# KiCad board FrontEnd_5G.kicad_pcb (continued)
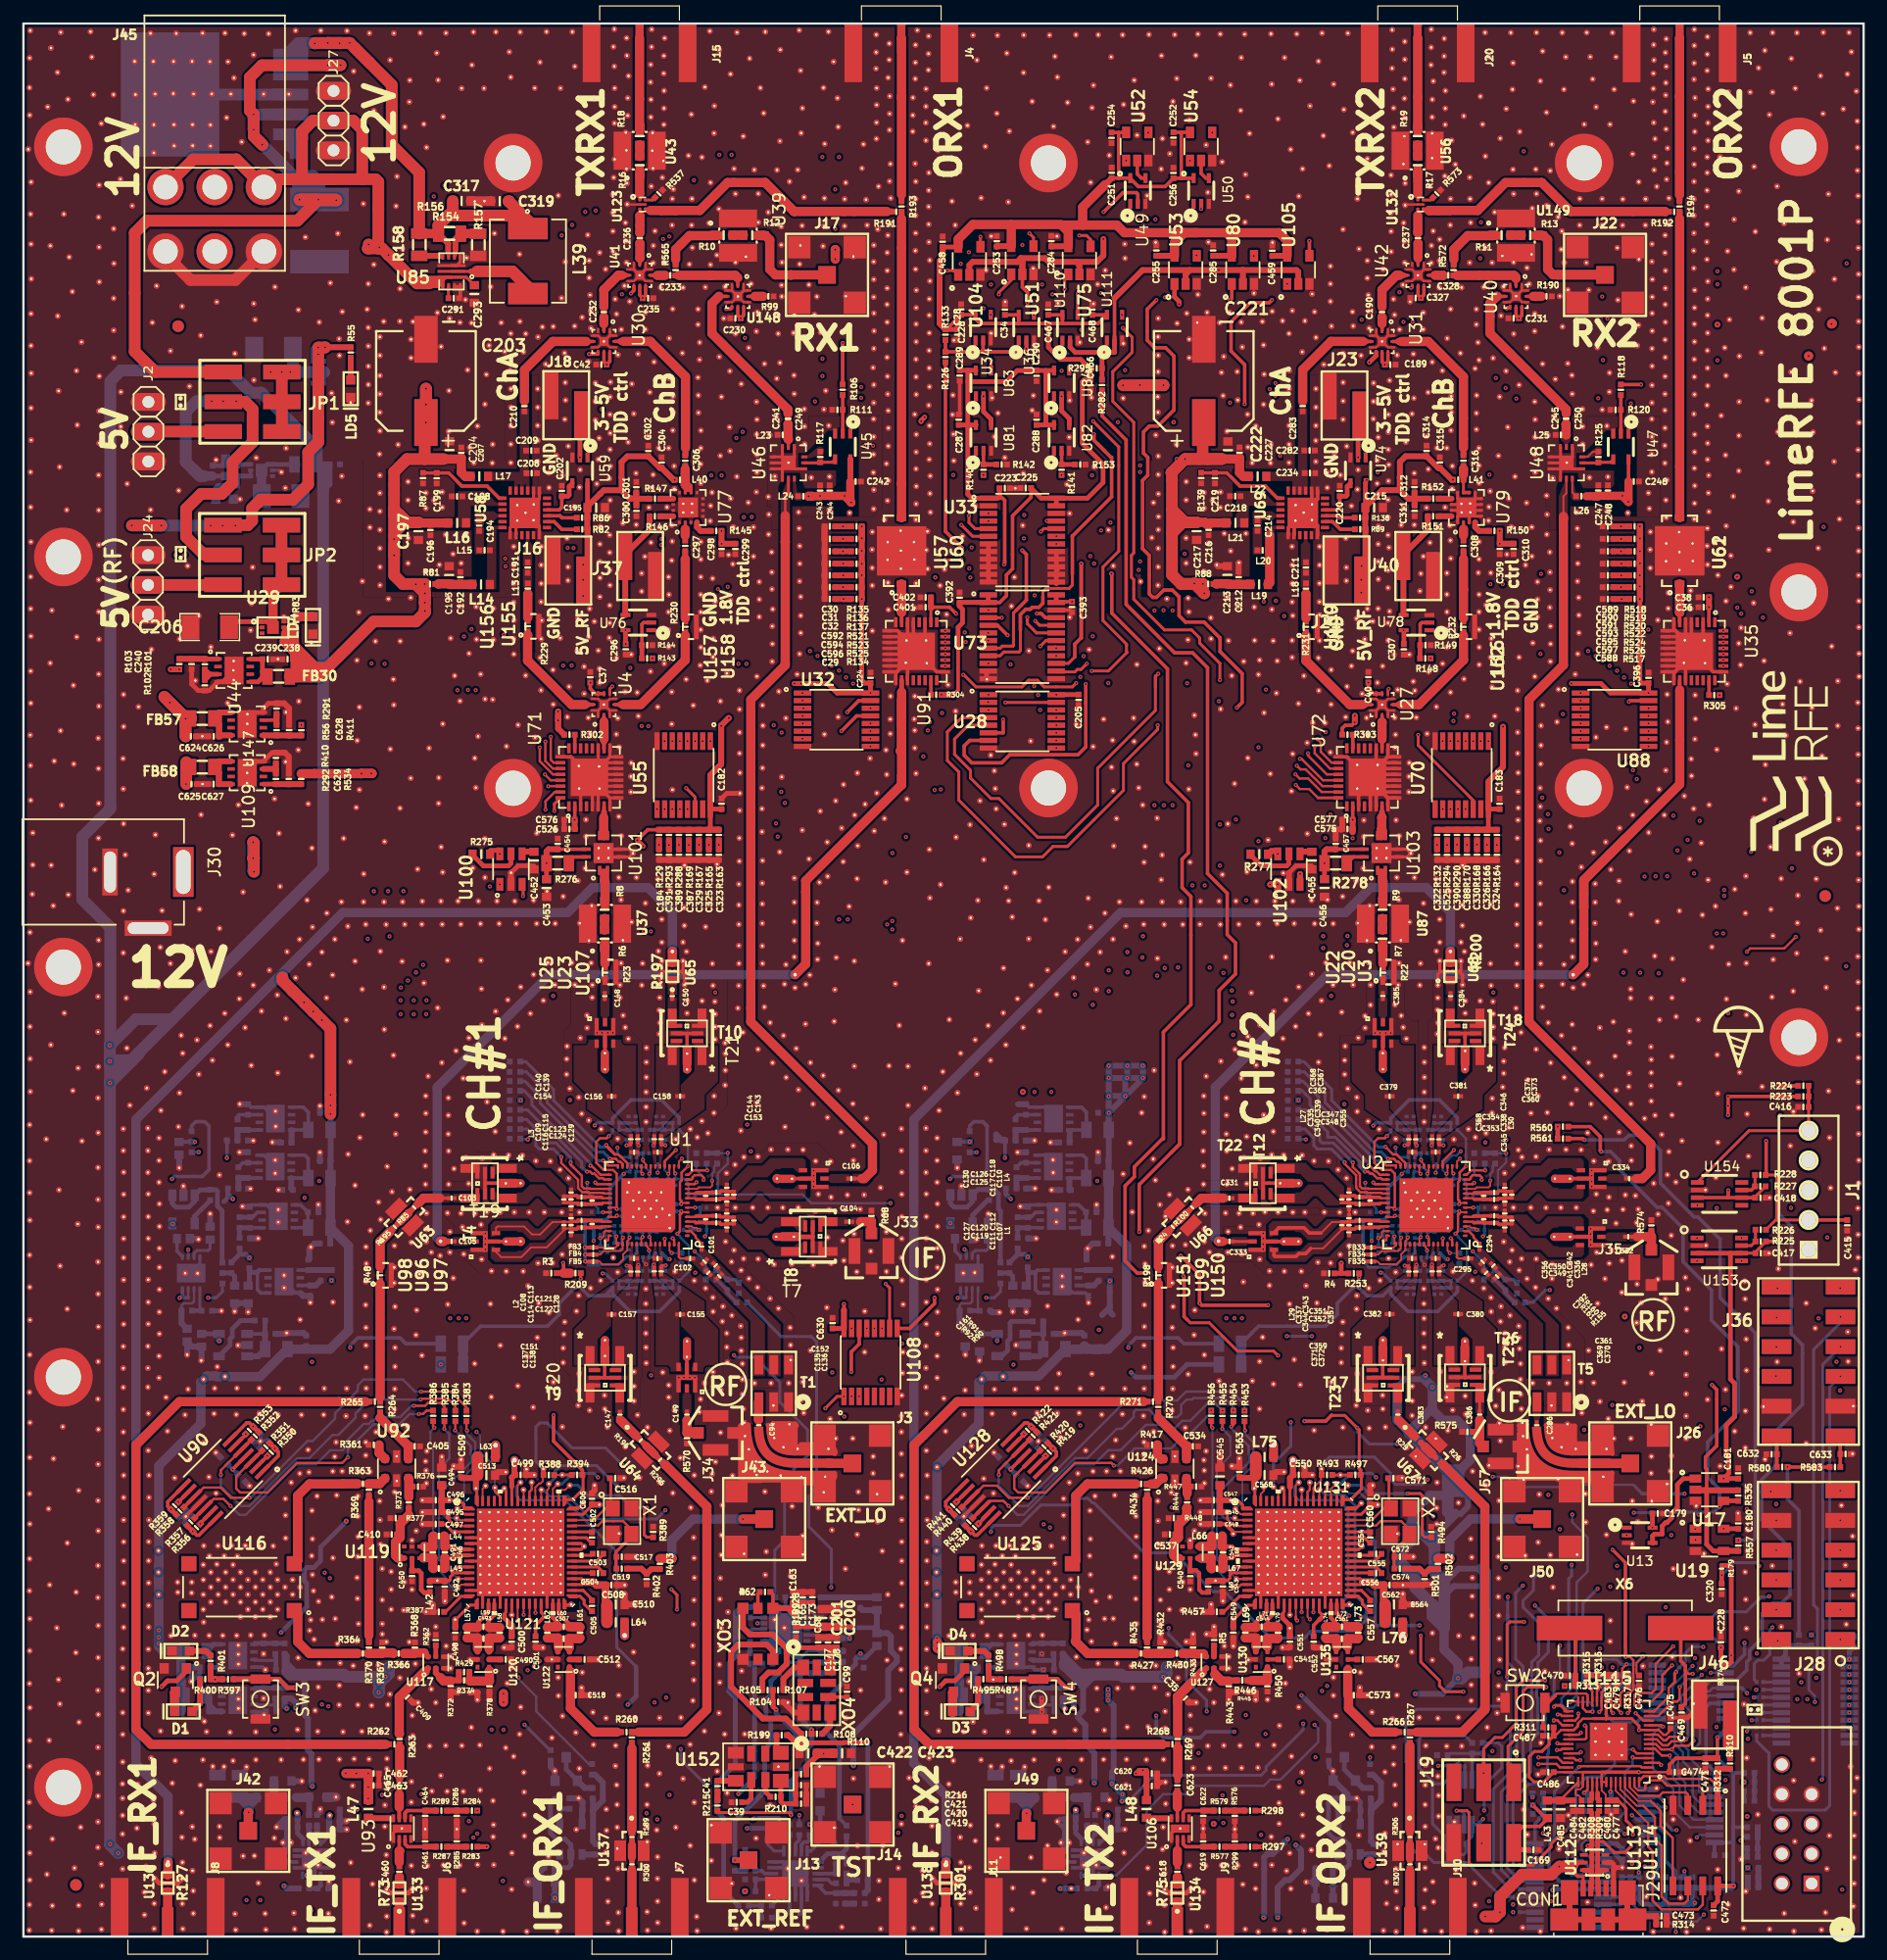
[diagram p0: board, top side]
## Routing (per net, layer and track width the routed paths; a pad name or vN(x,y) marks a point on that pad's centre or on a via; arc(x,y) is an arc through that point) (continued)
Net-(R176-Pad2): length 7.9
  B2.RO w0.2: 133.65,8.74 134.27,9.36 R176.2 ; 133.65,8.74 133.58,8.68 ; 133.65,8.74 133.58,8.68 ; 133.58,8.68 133.24,8.68
  B2.RO w0.25: 133.58,8.68 133.24,8.68 132.33,7.77 132.33,6.81 132.63,6.51 133.11,6.51 133.63,5.99 U24.4
  B2.RO w0.3: U24.4 134.15,5.99
Net-(R177-Pad2): length 1.6
  B2.RO w0.3: U24.8 134.88,3.38 R177.2
Net-(R178-Pad2): length 1.6
  B2.RO w0.3: 136.44,2.73 136.43,2.74 U24.9
Net-(R180-Pad1): length 1.4
  B2.RO w0.25: R180.1 127.89,5.99 U24.21
Net-(R181-Pad1): length 1.3
  B2.RO w0.25: U24.20 127.76,5.34 R181.1
Net-(R182-Pad1): length 1.3
  B2.RO w0.25: R182.1 129.06,4.68 U24.19
Net-(R187-Pad1): length 1.2
  B2.RO w0.3: R187.1 123.05,14.54 U163.7
Net-(R188-Pad1): length 1.3
  B2.RO w0.25: U24.18 129.06,4.04 R188.1
Net-(R189-Pad1): length 1.8
  F.RO w0.5: 51.96,6.78 R300.2 ; R189.1 51.96,7.8
  F.RO w0.7: 51.96,6.78 51.96,7.8
Net-(R189-Pad2): length 7.4
  F.RO w0.5: R261.1 51.96,16.54 51.96,16.08
  F.RO w0.79: 51.96,16.08 U137.1
Net-(R190-Pad2): length 1.2
  F.RO w0.3: U40.11 128.93,139.98
  F.RO w0.79: 128.93,139.98 R190.2
Net-(R191-Pad1): length 28.7
  F.RO w0.5: 74.98,144.11 R191.1
  F.RO w0.79: 74.97,124.02 74.98,124.01 74.98,123.93 ; 74.98,123.93 74.98,144.11 74.98,146.61 ; 74.98,123.93 U57.2
Net-(R192-Pad1): length 26.1
  F.RO w0.5: R192.1 141.42,147.19 141.42,146.62
  F.RO w0.79: 141.42,146.62 U61.2
Net-(R195-Pad1): length 1.8
  F.RO w0.5: 32.89,61.75 R85.2 ; R195.1 32.17,61.03
  F.RO w0.7: 32.89,61.75 32.17,61.03
Net-(R196-Pad1): length 1.8
  F.RO w0.5: 53.18,41.88 R196.1 ; R296.2 53.91,41.15
  F.RO w0.7: 53.18,41.88 53.91,41.15
Net-(R198-Pad1): length 10.1
  F.RO w0.5: 96.9,46.04 R270.1
  F.RO w0.79: 96.9,46.04 96.92,46.06 96.92,55.7
Net-(R199-Pad1): length 2.2
  F.RO w0.4: 65.06,15.3 U152.1
  F.RO w0.5: U152.1 64.3,16.06 R199.1
Net-(R202-Pad1): length 1.3
  B2.RO w0.25: U24.17 127.76,3.38 R202.1
Net-(R203-Pad1): length 1.3
  B2.RO w0.3: U24.16 129.06,2.74 R203.1
Net-(R204-Pad1): length 1.3
  B2.RO w0.25: U24.15 129.06,2.08 R204.1
Net-(R210-Pad1): length 1.6
  F.RO w0.4: U152.8 63.36,12.35 R210.1
Net-(R225-Pad2): length 2.3
  F.RO w0.25: U153.7 147.55,58.97 R225.2 R226.2
Net-(R227-Pad2): length 2.3
  F.RO w0.25: 147.86,64.11 R227.2 R228.2
  F.RO w0.3: 147.87,64.02 R227.2 147.55,63.71 U154.7
Net-(R229-Pad2): length 14.6
  F.RO w0.3: 43.07,108.88 46.81,105.14 ; 48.2,105.14 U4.11
  F.RO w0.5: 48.2,105.14 47.94,105.14
  F.RO w0.79: 43.05,108.9 46.81,105.14 47.94,105.14 ; 43.05,108.9 43.07,108.88 ; 43.05,108.9 43.05,111.06 U156.1
Net-(R230-Pad1): length 10.8
  F.RO w0.3: U4.5 50.92,105.14
  F.RO w0.5: 51.2,105.14 50.92,105.14 ; 53.49,105.92 52.71,105.14
  F.RO w0.79: U158.1 56.52,108.95 52.71,105.14 51.2,105.14
Net-(R231-Pad2): length 14.6
  F.RO w0.3: U27.11 114.61,105.14
  F.RO w0.5: 109.52,108.89 113.27,105.14 ; 114.33,105.14 114.61,105.14
  F.RO w0.79: U160.1 109.52,108.88 109.52,108.89 113.27,105.14 114.33,105.14
Net-(R232-Pad1): length 15.1
  F.RO w0.3: U27.5 117.39,105.14
  F.RO w0.5: 122.96,108.95 119.15,105.14 ; 117.67,105.14 117.39,105.14
  F.RO w0.79: U162.1 122.97,108.95 119.15,105.14 117.67,105.14
Net-(R241-Pad2): length 2.1
  B2.RO w0.3: 86.83,61.8 86.42,61.8 86.01,61.39 R242.1
  B2.RO w0.4: R241.2 R242.1
Net-(R243-Pad2): length 1.9
  B2.RO w0.3: R243.2 85.18,66.04 R246.1 86.56,66.04 U140.3
Net-(R254-Pad2): length 2.2
  B2.RO w0.3: R254.2 84.72,69.95 84.9,70.13 R259.1 85.62,70.14 86.58,70.14
Net-(R262-Pad2): length 68.4
  F.RO w0.5: 29.22,45.65 R265.2 ; R262.2 31.21,16.4 30.47,16.4
  F.RO w0.79: 30.94,16.4 10.9,16.4 9.61,17.69 9.61,41.95 13.31,45.65 29.22,45.65
Net-(R264-Pad1): length 10.5
  F.RO w0.5: 30.46,46.5 R264.1
  F.RO w0.79: 30.46,46.06 30.46,46.06 30.46,55.7
Net-(R267-Pad1): length 7.4
  F.RO w0.5: 118.39,16.29 R267.1
  F.RO w0.79: 118.39,16.29 U139.1
Net-(R268-Pad2): length 68.7
  F.RO w0.5: R268.2 97.65,16.4 97.25,16.4 ; R271.2 95.65,45.65
  F.RO w0.79: 95.65,45.65 79.75,45.65 76.05,41.95 76.05,17.68 76.28,17.45 76.28,17.47 77.35,16.4 89.29,16.4 ; 90.02,16.4 89.29,16.4 ; 89.29,16.4 97.25,16.4 97.26,16.39
Net-(R275-Pad1): length 4.6
  F.RO w0.4: U100.5 41.63,91.58 41.42,91.37 39.28,91.37 38.35,92.3 R275.1
Net-(R276-Pad1): length 2.6
  F.RO w0.15: R276.1 47.11,92.14 48.05,92.14
  F.RO w0.3: 48.06,92.14 47.12,92.14
Net-(R277-Pad1): length 4.6
  F.RO w0.4: R277.1 104.78,92.3 105.71,91.37 107.86,91.37 108.06,91.57 U102.5
Net-(R278-Pad1): length 1.7
  F.RO w0.3: R278.1 113.54,92.14 U103.8
Net-(R283-Pad1): length 2.6
  F.RO w0.4: R285.1 R287.1
  F.RO w0.5: R287.1 R283.1
Net-(R284-Pad1): length 1.7
  F.RO w0.5: R284.1 R286.1 R289.1
Net-(R291-Pad1): length 2.1
  F.RO w0.3: 21.62,103.97 21.46,103.81 U147.3
  F.RO w0.5: R291.1 R56.2
Net-(R292-Pad2): length 2
  F.RO w0.5: 21.56,99.64 21.55,99.64 21.56,99.64 21.56,99.65 U109.3 ; 21.56,99.64 R410.1 ; 21.56,99.64 R292.2
Net-(R297-Pad1): length 1.7
  F.RO w0.5: R577.1 R299.1 R297.1
Net-(R298-Pad1): length 1.7
  F.RO w0.5: R579.1 R576.1 R298.1
Net-(R302-Pad2): length 1.2
  F.RO w0.3: U71.23 R302.2
Net-(R303-Pad2): length 1.2
  F.RO w0.3: R303.2 113.52,102.56 113.52,101.42 U72.23
Net-(R304-Pad2): length 1.2
  F.RO w0.3: U91.23 R304.2
Net-(R305-Pad2): length 1.3
  F.RO w0.3: U35.23 R305.2
Net-(R306-Pad1): length 1.8
  F.RO w0.5: 118.39,6.65 R307.2 ; R306.1 118.39,7.87
  F.RO w0.7: 118.39,6.65 118.39,7.87
Net-(R317-Pad2): length 1.6
  F.RO w0.2: R317.2 137,21.38 136.36,20.74 U115.19
Net-(R344-Pad1): length 3.5
  B2.RO w0.25: 87.95,19.77 86.2,19.77 86.12,19.84
  B2.RO w0.4: 88,19.77 88,20.27 R72.2 ; 88,19.77 88,19.92 87.95,19.97 87.95,19.77 88,19.77 ; 88,19.77 88,19.17
Net-(R345-Pad2): length 3.3
  B2.RO w0.4: 88,23.57 88,24.07 R345.2 ; 88,23.57 R346.1 ; 88,23.57 86.2,23.57 U26.3
Net-(R349-Pad1): length 1.3
  F.RO w0.3: v2(20.84,41.02) 20.84,41.02 R350.1 19.95,40.12 U90.2
Net-(R353-Pad1): length 1.3
  F.RO w0.3: v2(18.98,42.88) 18.98,42.84 U90.6
  B2.RO w0.3: v2(18.98,42.88) R354.1
Net-(R355-Pad1): length 1.3
  F.RO w0.3: v2(15.1,35.22) 15.1,35.28 U90.13
  B2.RO w0.4: v2(15.1,35.22) 15.09,35.22 R355.1
Net-(R359-Pad1): length 1.3
  F.RO w0.3: U90.9 v2(13.23,37.09)
  B2.RO w0.3: v2(13.23,37.09) R360.1
Net-(R361-Pad2): length 1.4
  F.RO w0.79: U92.6 30.37,41.28 R361.2
Net-(R362-Pad2): length 1
  F.RO w0.4: U117.5 R362.2
Net-(R363-Pad1): length 17.8
  F.RO w0.79: 23.42,32.11 23.42,37.63 ; 23.42,32.11 U116.2 ; 23.42,32.11 U116.2 ; U116.2 23.43,32.12 23.43,37.64 24.42,38.63 27.26,38.63 27.26,38.64 R363.1
Net-(R363-Pad2): length 1.6
  F.RO w0.79: U92.1 30.41,38.64 R363.2
Net-(R364-Pad1): length 8.3
  F.RO w0.79: U116.1 23.43,27.52 23.43,25.15 24.42,24.16 R364.1
Net-(R364-Pad2): length 2.2
  F.RO w0.79: R366.2 31.54,24.21 R367.2 30.59,24.16 R364.2
Net-(R366-Pad1): length 2.2
  F.RO w0.5: 34.22,24.21 U117.6
  F.RO w0.79: R366.1 33.38,24.16 R368.2 34.22,24.21
Net-(R369-Pad2): length 15.7
  F.RO w0.5: 29.5,35.51 R369.2 ; 29.5,27.2 R370.2
  F.RO w0.79: 29.5,37.11 29.5,25.7
Net-(R371-Pad1): length 1.2
  B2.RO w0.5: U118.1 47.71,7 R371.1
Net-(R372-Pad2): length 3.4
  F.RO w0.5: 35.6,22.11 35.21,22.5 U117.2 ; R372.2 36.53,21.87 R374.1 R429.2
  F.RO w0.79: 35.6,22.11 35.89,21.82 R372.2
Net-(R373-Pad2): length 2.5
  F.RO w0.5: R376.2 32.86,38.78 U92.3
  F.RO w0.79: R373.2 32.91,39.06 U92.3
Net-(R374-Pad2): length 4.5
  F.RO w0.3: R378.2 39.79,22.96 U120.1
  F.RO w0.5: R429.1 R374.2
  F.RO w0.79: 39.78,22.67 39.79,22.66 R378.2 38.14,21.81 R374.2
Net-(R375-Pad1): length 2.1
  B2.RO w0.4: R375.1 46.62,10.9 R379.2 45.8,10.89 U118.4
Net-(R383-Pad1): length 9.7
  F.RO w0.15: 37.05,36.54 37.55,36.04 U121.2
  F.RO w0.2: v2(37.88,43.18) 37.83,43.23 R383.1
  B2.RO w0.15: 38.58,40.22 37.63,39.27 37.63,36.99 37.18,36.54 37.05,36.54
  B2.RO w0.2: v2(37.88,43.18) 37.88,42.89 38.58,42.19 38.58,40.22
Net-(R384-Pad1): length 12
  F.RO w0.15: 36.99,35.71 37.16,35.54 U121.3
  F.RO w0.2: v2(36.86,43.2) 36.88,43.22 R384.1
  B2.RO w0.15: 38.09,40.36 35.84,38.12 35.84,35.97 36.1,35.71 36.99,35.71
  B2.RO w0.2: v2(36.86,43.2) 38.2,41.86 38.2,40.48 38.09,40.36
Net-(R385-Pad1): length 15.7
  F.RO w0.15: 37.12,30.51 37.15,30.54 U121.13
  F.RO w0.2: v2(35.93,43.33) 35.95,43.35 R385.1
  B2.RO w0.15: 35.47,39.91 35.47,32.15 37.11,30.51 37.12,30.51
  B2.RO w0.2: 35.47,39.91 36.37,40.81 36.37,42.89 v2(35.93,43.33)
Net-(R386-Pad1): length 16.8
  F.RO w0.15: 37.08,29.74 37.38,30.04 U121.14
  F.RO w0.2: v2(35.09,43.42) 34.98,43.53 R386.1
  B2.RO w0.15: v2(35.09,43.42) 35.09,43.46 ; 34.75,43.08 34.75,42.09 34.98,41.86 34.98,31.74 36.29,30.43 36.29,30.12 36.67,29.74 37.08,29.74
  B2.RO w0.2: v2(35.09,43.42) 34.75,43.08
Net-(R387-Pad2): length 2.7
  F.RO w0.25: R387.2 36.05,27.71 37.38,29.04 U121.16
Net-(R417-Pad2): length 1.6
  F.RO w0.79: R417.2 96.83,41.03 97.11,40.75 U124.6
Net-(R418-Pad1): length 1.3
  F.RO w0.3: U128.2 v2(87.28,41.02)
Net-(R422-Pad1): length 1.3
  F.RO w0.3: U128.6 85.43,42.85
  F.RO w0.4: 85.43,42.85 v2(85.43,42.89)
Net-(R424-Pad1): length 1.2
  B2.RO w0.5: U126.1 115.29,7.01 R424.1
Net-(R426-Pad1): length 11.9
  F.RO w0.79: R426.1 90.86,38.63 89.86,37.63 89.86,32.11 ; 89.86,32.11 U125.2 89.86,32.11
Net-(R426-Pad2): length 2.3
  F.RO w0.5: 97.14,39.11 96.66,38.63 ; 96.3,38.63 R426.2
  F.RO w0.79: 96.3,38.63 96.66,38.63 97.14,39.11 U124.1
Net-(R427-Pad1): length 8.8
  F.RO w0.79: 89.82,25.21 89.89,25.15 ; 89.89,25.15 90.87,24.16 R427.1 ; 89.89,25.15 89.89,27.5 U125.1 89.82,27.57
Net-(R427-Pad2): length 2.2
  F.RO w0.79: R427.2 97.04,24.16 R432.2 97.14,24.16 R430.2
Net-(R430-Pad1): length 3
  F.RO w0.5: 99.97,24.13 100.77,24.13 U127.6
  F.RO w0.79: 100.77,24.13 99.97,24.13 R433.2 99.82,24.16 R430.1
Net-(R431-Pad1): length 2.1
  B2.RO w0.4: U126.4 R436.2 R431.1
Net-(R434-Pad2): length 15.3
  F.RO w0.5: 95.96,35.77 95.96,37.67 R434.2 ; 95.94,26.75 95.94,25.13 R435.2
  F.RO w0.79: 95.94,25.57 95.95,25.57 95.95,37.27 95.96,37.28
Net-(R437-Pad1): length 1.3
  F.RO w0.3: U128.13 82.42,36.11 R438.1
  F.RO w0.5: v2(81.54,35.23) R438.1
Net-(R441-Pad1): length 1.3
  F.RO w0.3: v2(79.67,37.09) U128.9
Net-(R443-Pad2): length 2.7
  F.RO w0.5: U127.2 101.66,22.47 101.75,22.38 ; R443.2 102.99,21.87 R446.1
  F.RO w0.79: 101.75,22.4 101.75,22.38 102.32,21.81 R443.2
Net-(R444-Pad2): length 3.7
  F.RO w0.25: R447.2 99.37,38.09 R444.2
  F.RO w0.5: 99.37,38.4 99.37,39.05 U124.3 99.31,38.79 ; R444.2 99.37,37.82
  F.RO w0.79: 99.37,37.82 99.37,38.4 99.31,38.46 U124.3
Net-(R445-Pad1): length 5
  F.RO w0.5: U130.1 106.23,21.81 R450.2 104.59,21.81 R446.2
  F.RO w0.79: 106.22,22.57 106.22,21.82 R450.2 106.18,21.86 104.89,21.86
Net-(R453-Pad1): length 9.7
  F.RO w0.15: 103.49,36.49 103.94,36.04 U131.2
  F.RO w0.2: v2(104.32,43.18) 104.27,43.23 R453.1
  B2.RO w0.15: 105.03,40.23 104.08,39.28 104.08,37.07 104.07,37.07 103.49,36.49
  B2.RO w0.2: v2(104.32,43.18) 104.32,42.89 105.03,42.18 105.03,40.23
Net-(R454-Pad1): length 12.7
  F.RO w0.15: 103.44,35.71 103.61,35.54 U131.3
  F.RO w0.25: v2(103.14,43.52) 103.32,43.7 R454.1
  B2.RO w0.2: 103.72,42.78 104.64,41.87 104.64,40.47 102.3,38.13 102.3,35.97 102.56,35.71 103.44,35.71 ; 103.72,42.78 103.14,43.36 v2(103.14,43.52) ; 103.72,42.78 103.3,43.2
Net-(R455-Pad1): length 15.9
  F.RO w0.2: 103.57,30.51 104.49,30.51 U131.13 ; v2(102.37,43.33) 102.38,43.34 R455.1
  B2.RO w0.15: 103.06,42.29 103.06,41.05 101.91,39.9 101.91,32.17 103.57,30.51
  B2.RO w0.2: v2(102.37,43.33) 103.06,42.64 103.06,42.29
Net-(R456-Pad1): length 16.2
  F.RO w0.2: 103.31,29.87 103.81,29.87 103.98,30.04 U131.14 ; v2(101.53,43.42) 101.42,43.53 R456.1
  B2.RO w0.15: 101.53,43.45 v2(101.53,43.42) 101.53,31.65 103.31,29.87
Net-(R457-Pad2): length 2.7
  F.RO w0.25: R457.2 102.51,27.71 103.84,29.04 U131.16
Net-(R537-Pad2): length 0.9
  F.RO w0.25: R537.2 53.73,148.2 U123.6
Net-(R554-Pad2): length 0.9
  B2.RO w0.3: U21.8 R554.2
Net-(R558-Pad1): length 2.7
  B2.RO w0.2: R558.1 81.5,53.56 81.5,55.19 81.51,55.2
  B2.RO w0.4: R559.2 81.64,53.42 R558.1
Net-(R562-Pad2): length 7
  F.FR4 w0.3: v2(79.78,54.5) 79.8,54.52 v2(82.21,54.52)
  B2.RO w0.2: 80.51,54.52 80.51,55.2
  B2.RO w0.25: 80.01,55.2 80.01,54.62 80.11,54.52 80.51,54.52 ; R562.2 83.43,55.04 82.91,54.52 v2(82.21,54.52) 82.2,54.52
  B2.RO w0.3: v2(79.78,54.5) 79.8,54.52 80.43,54.52
Net-(R566-Pad2): length 1.9
  B2.RO w0.3: R567.1 90.08,55.57 U143.3
  B2.RO w0.5: R566.2 91.41,55.57 R567.1
Net-(R568-Pad2): length 10.6
  B.FR4 w0.3: v2(81.4,66.93) 81.4,66.06 81.33,65.99 81.33,63.64 80.36,62.67 v2(80.36,58.66)
  B2.RO w0.25: 81.4,66.94 v2(81.4,66.93)
  B2.RO w0.3: v2(81.4,66.93) R568.2 v2(81.4,66.93) ; v2(81.4,66.93) 81.4,66.94 ; v2(80.36,58.66) 80.51,58.51 U144.2
Net-(R569-Pad2): length 14.1
  F.RO w0.3: v2(79.15,60.89) 79.16,60.89
  B.FR4 w0.3: v2(79.15,60.89) 79.12,60.92 v2(79.12,64.66)
  B2.RO w0.25: 79.26,60.78 v2(79.15,60.89)
  B2.RO w0.3: R569.2 80.8,69.18 81.16,69.54 81.92,69.54 ; 82.29,69.17 82.29,65.44 81.72,64.87 80.96,64.87 ; 82.29,69.17 81.92,69.54 ; 82.29,69.17 81.92,69.54 ; 80.96,64.87 80.89,64.87 ; 80.96,64.87 79.33,64.87 v2(79.12,64.66) ; 79.17,60.85 v2(79.15,60.89)
Net-(R573-Pad2): length 0.9
  F.RO w0.25: R573.2 120.16,148.2 U132.6
Net-(R586-Pad1): length 1.6
  B2.RO w0.25: U38.21 150.11,21.72 R586.1
Net-(R587-Pad1): length 1.6
  B2.RO w0.25: U38.20 150.11,21.07 R587.1
Net-(R588-Pad1): length 1.6
  B2.RO w0.25: 150.11,20.42 150.11,20.42 R588.1
Net-(R589-Pad1): length 1.6
  B2.RO w0.25: U38.18 150.11,19.77 R589.1
Net-(R590-Pad1): length 1.6
  B2.RO w0.25: U38.17 150.11,19.11 R590.1
Net-(R591-Pad1): length 1.6
  B2.RO w0.25: U38.16 150.11,18.47 R591.1
Net-(R592-Pad1): length 1.6
  B2.RO w0.25: U38.15 150.11,17.82 R592.1
Net-(R593-Pad1): length 1.6
  B2.RO w0.25: U38.14 150.11,17.16 R593.1
Net-(U1-Pad1): length 0.1
  F.RO w0.2: U1.1 U1.1
Net-(U4-Pad2): length 2.8
  F.RO w0.3: U71.18 49.57,101.42 49.57,101.93 ; U4.2 49.57,103.89
  F.RO w0.5: 49.57,103.67 49.57,103.89 ; 49.57,101.93 49.58,102.21
  F.RO w0.79: 49.57,103.67 49.58,102.21
Net-(U11-Pad9): length 9.8
  B2.RO w0.2: U12.14 144.61,19.92
  B2.RO w0.3: U12.14 144.02,19.92 143.68,19.57 143.68,14.8 144.4,14.08 U11.9
Net-(U13-Pad4): length 8.1
  F.RO w0.4: U17.1 141.73,39.09 141.23,38.59 141.23,36.6 140.74,36.11 140.74,35.72 140.34,35.32 140.22,35.32 139.93,35.03 139.93,34.34 139.27,34.34 139.11,34.18 U13.4 139.18,33.59
Net-(U27-Pad2): length 2.8
  F.RO w0.3: U27.2 116.02,103.64 ; U72.18 116.01,102.19
  F.RO w0.79: 116.02,103.64 116.01,103.64 116.01,102.19
Net-(U28-Pad9): length 20.2
  F.FR4 w0.25: 79.2,103.08 83.48,103.08 85.1,104.69 85.34,104.69
  F.FR4 w0.3: 79.2,103.08 78.62,103.65 v1(77.39,103.65) ; v1(86.82,104.69) 85.34,104.69
  B.FR4 w0.3: 88.2,101.44 v1(88.2,101.43) 87.37,101.43 86.82,101.98 v1(86.82,104.69) ; 72.36,104.83 v1(72.33,104.83) 72.36,104.83 ; 72.36,104.83 72.74,104.83 73.08,104.49 76.55,104.49 v1(77.39,103.65)
Net-(U32-Pad9): length 78.5
  F.FR4 w0.25: 85.46,95 88.8,95 90.68,96.88 90.68,99.48 92.05,100.85 93.55,100.85
  F.FR4 w0.3: 114.21,107.77 112.97,107.77 112.45,107.25 110.3,107.25 109.46,106.41 108.7,106.41 107.45,105.16 105.17,105.16 101.69,101.68 99.74,101.68 98.91,100.85 93.55,100.85 ; 114.21,107.77 114.23,107.77 ; 114.21,107.77 119.01,107.77 121.26,105.52 128.8,105.52 129.2,105.92 130.12,105.92 130.46,105.58 131.6,105.58 132.71,106.69 133.76,106.69 135.62,104.83 138.76,104.83 ; 85.46,95 83.21,97.25 82.74,97.25 81.29,98.7 75.68,98.7 74.63,99.75 74.15,99.75 v1(72.33,101.58)
  B.FR4 w0.3: 72.33,101.58 v1(72.33,101.58) ; v1(138.77,104.83) 138.77,104.83
Net-(U35-Pad7): length 3.3
  F.RO w0.3: 141.42,113.01 141.42,112.17
  F.RO w0.79: 141.42,113.01 141.43,113.01 141.42,113.02 141.42,115.45
Net-(U49-Pad4): length 2
  F.RO w0.3: U52.2 95.11,150.43 95.47,150.07 U49.4
Net-(U50-Pad4): length 1.9
  F.RO w0.3: U54.2 100.56,150.47 100.96,150.07 U50.4
Net-(U55-Pad9): length 99.2
  F.RO w0.25: v1(119.1,102.55) 119.1,101.66 123.8,96.97 U70.14
  F.FR4 w0.25: 104.32,92.32 105.48,93.48 ; 104.32,92.32 105.46,93.46 v1(105.46,93.48) ; 104.32,92.32 98.19,92.32 96.93,91.06 92.5,91.06 87.63,86.19 78.71,86.19 73.83,91.06 65.14,91.06 63.86,92.34 62.84,92.34 62.78,92.28 54.25,92.28 53.4,93.13 53.4,93.63 54.11,94.34 v1(54.11,96.22) ; v1(111.2,102.79) 108.54,102.79 107.24,101.49 v1(105.46,101.49)
  B.FR4 w0.25: v1(54.11,96.22) 54.1,96.22 54.1,96.2 ; 105.46,95.81 v1(105.46,93.48) ; 105.46,95.81 105.46,94.89 ; 105.46,95.81 v1(105.46,101.49) ; v1(105.46,93.48) 105.46,94.89 ; v1(105.46,93.48) 105.46,94.89 ; v1(111.2,102.79) 112.78,102.79 114.88,100.69 117.75,100.69 119.1,102.04 v1(119.1,102.55)
Net-(U55-Pad14): length 94
  F.RO w0.25: v1(56.59,98.01) 57.36,97.25 U55.14
  F.FR4 w0.25: v1(56.59,98.01) 56.99,98.01 59.16,100.18 62.79,100.18 62.99,100.38 64.58,100.38 65.76,99.2 70.42,99.2 73.18,96.44 78.14,96.44 82.11,92.48 88.67,92.48 93.39,97.2 107.82,97.2 107.82,97.19 109.51,97.19 110.22,96.48 112.79,96.48 113.1,96.17 115.7,96.17 115.86,96.01 118.91,96.01 120.93,98.03 123.18,98.03 126.59,101.44 127.28,101.44 128.23,102.39 130.62,102.39 131.44,101.58 v1(138.77,101.58)
  B.FR4 w0.25: v1(138.77,101.58) 138.76,101.58 138.76,101.59 138.76,101.59 ; v1(56.59,98.01) 56.58,98.01
Net-(U57-Pad1): length 5.7
  F.RO w0.3: U91.7 74.99,115.43 U57.1
  F.RO w0.79: U57.1 74.98,113.02 74.99,113.01

## Copper pours and planes (outline as drawn; the poured copper is in the pictures)
+1.8V_SC1905_#1 on F.FR4: 34.59,24.92 52.35,24.92 52.35,42.96 34.59,42.96
+1.8V_SC1905_#2 on F.FR4: 101.03,24.92 118.79,24.92 118.79,42.96 101.03,42.96
+3.3V_#1 on F.FR4: 70.22,56.09 71.1,55.21 71.1,47.16 72.46,45.8 72.46,35.98 73.37,35.98 73.37,34.76 72.46,34.76 72.46,31.28 68.42,31.28 68.42,38.66 67.45,39.63 67.45,44.38 35.4,44.38 35.4,46.29 35.36,46.29 35.36,48.67 35.96,49.27 35.96,57.27 37.99,57.27 37.99,53.05 38.37,52.67 38.37,51.5 37.99,51.12 37.99,47.04 37.42,46.47 37.42,45.95 54.73,45.95 54.92,46.14 65.75,46.14 65.75,55.14 62.81,58.08 62.81,70.56 70.22,70.56
+3.3V_#2 on F.FR4: 136.66,56.09 137.54,55.21 137.54,47.16 138.9,45.8 138.9,31.28 134.86,31.28 134.86,38.66 133.89,39.63 133.89,44.38 101.84,44.38 101.84,46.29 101.8,46.29 101.8,48.67 102.4,49.27 102.4,57.27 104.43,57.27 104.43,47.04 103.86,46.47 103.86,45.95 121.17,45.95 121.36,46.14 132.19,46.14 132.19,55.14 129.25,58.08 129.25,70.17 136.66,70.17
+5V on F.FR4: 83.69,44.74 80.45,41.5 80.45,27.25 76.22,27.25 76.22,44.69 78.59,47.06 78.59,69.28 83.32,74.01 83.69,74.01
+5V on F.FR4: 17.25,44.74 14.01,41.5 14.01,27.25 9.78,27.25 9.78,44.69 12.15,47.06 12.15,69.28 13.53,70.66 13.53,71.23 14.32,72.02 14.32,74.01 17.25,74.01
GND on F.RO: 157.13,0 0,0 0,163.26 157.13,163.26 ; 28 cut-outs
GND on F.RO: 104.71,119.99 104.71,116.06 98.33,116.06 98.33,119.99
GND on F.RO: 38.28,119.99 38.28,116.06 31.9,116.06 31.9,119.99
GND on F.RO: 157.13,0 0,0 0,163.26 157.13,163.26 ; 9 cut-outs
GND on B2.RO: 157.13,0 0,0 0,163.26 157.13,163.26
GND on B.RO: 157.13,0 0,0 0,163.26 157.13,163.26
GND on F.FR4: 157.13,0 77.05,0 77.05,3.2 76.49,3.2 76.49,6.05 77.05,6.05 77.05,26.5 81.2,26.5 81.2,28.51 80.85,28.86 80.85,31.07 81.2,31.42 81.2,40.66 84.13,43.59 96.3,43.59 96.3,24.7 97.06,23.94 97.06,22.25 112.9,22.25 112.9,22.92 115.07,22.92 115.07,22.25 123.33,22.25 123.33,41.67 133.16,41.67 133.16,39.59 134,38.72 134.03,38.72 134.03,30.3 139.56,30.3 139.56,41.67 142.71,41.67 142.71,54.14 139.86,54.14 139.35,53.63 138.8,53.63 138.59,53.42 138.03,53.42 138.03,54.78 138.21,54.96 138.21,55.84 138.44,56.07 138.44,58.3 137.23,59.51 137.23,83.96 137.19,84 137.19,89 137.51,89.32 137.51,115.33 138.81,116.63 138.81,134.54 134.65,134.54 134.65,133.91 128.94,133.91 128.94,134.54 90.04,134.54 90.04,120.65 80.52,120.65 80.52,157.24 72.19,157.19 72.19,136.45 67.57,136.45 67.57,136.47 52.24,136.47 52.24,137.07 47.33,137.07 47.33,136.47 23.6,136.47 23.6,120.35 10.24,120.35 10.24,97.45 8.05,97.45 4.87,94.27 4.87,63.48 6.33,63.48 9.03,66.18 9.03,26.5 14.49,26.5 14.85,26.86 15.92,26.86 16.28,26.5 28.06,26.5 28.06,43.59 30.73,43.59 30.73,42.53 29.86,42.53 29.86,22.25 56.89,22.25 56.89,41.67 66.72,41.67 66.72,39.59 67.56,38.72 67.59,38.72 67.59,37.36 67.85,37.1 67.85,36.04 67.59,35.78 67.59,30.3 72.45,30.3 72.45,0 0,0 0,163.26 157.13,163.26
GND on F.FR4: 98.48,89.88 128.04,89.88 128.04,73.1 120.31,80.83 107.38,80.83 106.83,81.38 89.55,81.38 80.52,72.35 80.52,89.92 90.04,89.92 90.04,89.88 91.56,89.88 92.08,90.4 98.48,90.4
GND on B.FR4: 157.13,0 0,0 0,163.26 157.13,163.26
GND on F2.RO: 157.13,0 0,0 0,163.26 157.13,163.26
/Clocks/EX1_#1 on F.RO: 57.72,58.75 58.16,58.75 59.28,57.62 58.78,57.12 57.72,58.18
/Clocks/EX1_#2 on F.RO: 124.15,58.74 124.58,58.74 125.7,57.62 125.21,57.12 124.15,58.18
/Clocks/EX2_#1 on F.RO: 57.06,58.04 57.58,58.04 58.64,56.98 58.14,56.49 57.06,57.56
/Clocks/EX2_#2 on F.RO: 123.49,58.05 124,58.05 125.06,56.99 124.56,56.49 123.49,57.57
/Clocks/EX3_#1 on F.RO: 58.95,56.95 59.44,57.44 64.67,52.21 64.67,47.81 63.54,47.81 63.54,52.35
/Clocks/EX3_#2 on F.RO: 125.38,56.95 125.88,57.45 131.11,52.21 131.11,47.81 129.98,47.81 129.98,52.36
/Clocks/EX4_#1 on F.RO: 58.31,56.32 58.81,56.81 63.33,52.29 63.32,47.82 62.09,47.82 62.09,52.55
/Clocks/EX4_#2 on F.RO: 124.75,56.32 125.24,56.82 129.76,52.29 129.76,47.82 128.52,47.82 128.52,52.55
/Clocks/EX5_#1 on F.RO: 63.14,46.46 63.14,44.54 62.93,44.07 62.93,43.77 62.58,43.77 62.58,44.07 62.38,44.54 62.38,46.46
/Clocks/EX5_#2 on F.RO: 129.61,46.45 129.6,44.53 129.4,44.06 129.4,43.76 129.05,43.76 129.05,44.06 128.85,44.53 128.85,46.45
/LMS8001_RF/IN_A1_#1 on F.RO: 70.4,60.63 68.78,60.63 68.57,60.84 67.87,60.84 67.87,61.2 68.58,61.2 68.77,61.39 70.4,61.39
/LMS8001_RF/IN_A1_#2 on F.RO: 136.91,59.33 135.29,59.33 135.08,59.54 134.38,59.54 134.38,59.9 135.09,59.9 135.28,60.09 136.91,60.09
/LMS8001_RF/IN_A2_#1 on F.RO: 66.83,58.23 66.58,57.98 63.78,57.98 63.12,58.63 61.87,58.63 60.48,60.01 60.48,60.68 60.67,60.94 60.83,60.98 60.94,60.98 62.29,59.62 63.54,59.62 64.23,58.93 64.59,58.93 64.69,58.84 65.76,58.84 66.12,59.19 66.83,59.19
/LMS8001_RF/IN_A2_#2 on F.RO: 133.26,58.23 133.01,57.98 130.21,57.98 129.55,58.63 128.3,58.63 126.91,60.01 126.91,60.68 127.1,60.94 127.26,60.98 127.37,60.98 128.72,59.62 129.97,59.62 130.66,58.93 131.02,58.93 131.12,58.84 132.19,58.84 132.55,59.19 133.26,59.19
/LMS8001_RF/IN_A3_#1 on F.RO: 66.81,60.24 66.1,60.24 65.73,60.61 64.68,60.61 64.57,60.51 64.21,60.51 63.52,59.82 62.33,59.82 60.92,61.23 60.47,61.23 60.47,61.53 60.83,61.53 60.92,61.62 61.93,61.62 62.74,60.82 63.1,60.82 63.74,61.47 66.56,61.47 66.81,61.22
/LMS8001_RF/IN_A3_#2 on F.RO: 133.24,60.24 132.53,60.24 132.16,60.61 131.11,60.61 131,60.51 130.64,60.51 129.95,59.82 128.76,59.82 127.35,61.23 126.9,61.23 126.9,61.53 127.26,61.53 127.35,61.62 128.36,61.62 129.17,60.82 129.53,60.82 130.17,61.47 132.99,61.47 133.24,61.22
/LMS8001_RF/IN_B1_#1 on F.RO: 70.56,64.31 68.94,64.31 68.73,64.52 68.03,64.52 68.03,64.88 68.74,64.88 68.93,65.07 70.56,65.07
/LMS8001_RF/IN_B1_#2 on F.RO: 136.99,64.31 135.37,64.31 135.16,64.52 134.46,64.52 134.46,64.88 135.17,64.88 135.36,65.07 136.99,65.07
/LMS8001_RF/IN_B2_#1 on F.RO: 66.81,63.18 66.57,62.94 63.75,62.94 63.11,63.59 62.75,63.59 61.94,62.79 60.93,62.79 60.83,62.88 60.48,62.88 60.48,63.19 60.93,63.19 62.34,64.59 63.53,64.59 64.22,63.91 64.58,63.91 64.69,63.8 65.73,63.8 66.1,64.17 66.81,64.17
/LMS8001_RF/IN_B2_#2 on F.RO: 133.24,63.18 133,62.94 130.18,62.94 129.54,63.59 129.18,63.59 128.37,62.79 127.36,62.79 127.26,62.88 126.91,62.88 126.91,63.19 127.36,63.19 128.77,64.59 129.96,64.59 130.65,63.91 131.01,63.91 131.12,63.8 132.16,63.8 132.53,64.17 133.24,64.17
/LMS8001_RF/IN_B3_#1 on F.RO: 66.81,65.22 66.1,65.22 65.74,65.58 64.73,65.58 64.63,65.49 64.22,65.49 63.53,64.8 62.28,64.8 60.93,63.44 60.82,63.44 60.66,63.48 60.47,63.74 60.47,64.41 61.86,65.79 63.11,65.79 63.77,66.45 66.57,66.45 66.81,66.2
/LMS8001_RF/IN_B3_#2 on F.RO: 133.24,65.22 132.53,65.22 132.17,65.58 131.16,65.58 131.06,65.49 130.65,65.49 129.96,64.8 128.71,64.8 127.36,63.44 127.25,63.44 127.09,63.48 126.9,63.74 126.9,64.41 128.29,65.79 129.54,65.79 130.2,66.45 133,66.45 133.24,66.2
/LMS8001_RF/IN_C1_#1 on F.RO: 38.49,63.2 38.95,63.2 38.95,62.83 38.49,62.83 38.3,62.64 36.68,62.64 36.68,63.4 38.29,63.4
/LMS8001_RF/IN_C1_#2 on F.RO: 105.38,62.64 103.11,62.64 103.11,63.4 105.38,63.4
/LMS8001_RF/IN_C2_#1 on F.RO: 46.34,63.34 46.15,63.08 45.99,63.04 45.89,63.04 44.54,64.39 43.29,64.39 42.59,65.08 42.23,65.08 42.13,65.18 41.08,65.18 41.08,65.18 40.48,65.18 40.25,64.94 40.25,64.69 39.9,64.69 39.9,65.69 40.25,66.04 42.63,66.04 43.04,66.04 43.7,65.39 44.95,65.39 46.34,64
/LMS8001_RF/IN_C2_#2 on F.RO: 112.77,63.34 112.58,63.08 112.42,63.04 112.32,63.04 110.97,64.39 109.72,64.39 109.02,65.08 108.66,65.08 108.56,65.18 107.51,65.18 107.51,65.18 106.91,65.18 106.68,64.94 106.68,64.69 106.33,64.69 106.33,65.69 106.68,66.04 109.06,66.04 109.47,66.04 110.13,65.39 111.38,65.39 112.77,64
/LMS8001_RF/IN_C3_#1 on F.RO: 46.32,62.48 45.97,62.48 45.88,62.38 44.86,62.38 44.06,63.19 43.7,63.19 43.05,62.54 40.23,62.54 40,62.77 39.89,62.89 39.89,63.89 40.24,63.89 40.24,63.63 40.47,63.4 41.08,63.4 41.09,63.39 42.11,63.39 42.22,63.5 42.59,63.5 43.28,64.19 44.46,64.19 45.87,62.78 46.32,62.78
/LMS8001_RF/IN_C3_#2 on F.RO: 112.75,62.48 112.4,62.48 112.31,62.38 111.29,62.38 110.49,63.19 110.13,63.19 109.48,62.54 106.66,62.54 106.43,62.77 106.32,62.89 106.32,63.89 106.67,63.89 106.67,63.63 106.9,63.4 107.51,63.4 107.52,63.39 108.54,63.39 108.65,63.5 109.02,63.5 109.71,64.19 110.89,64.19 112.3,62.78 112.75,62.78
/LMS8001_RF/IN_D1_#1 on F.RO: 38.17,59.5 38.88,59.5 38.88,59.14 38.17,59.14 37.98,58.95 36.69,58.95 36.69,59.71 37.96,59.71
/LMS8001_RF/IN_D1_#2 on F.RO: 104.6,59.5 105.31,59.5 105.31,59.14 104.6,59.14 104.4,58.94 103.12,58.94 103.12,59.7 104.39,59.7
/LMS8001_RF/IN_D2_#1 on F.RO: 45.88,61.23 45.97,61.14 46.24,61.14 46.24,61.14 46.88,61.14 46.88,60.84 46.33,60.84 46.33,60.83 45.88,60.83 44.47,59.43 43.28,59.43 42.59,60.12 42.22,60.12 42.12,60.22 42.11,60.22 40.48,60.22 40.24,59.98 40.24,59.73 39.89,59.73 39.89,60.73 40.24,61.08 43.05,61.08 43.7,60.43 44.06,60.43 44.86,61.23
/LMS8001_RF/IN_D2_#2 on F.RO: 112.76,60.83 112.31,60.83 110.9,59.43 109.71,59.43 109.02,60.12 108.65,60.12 108.55,60.22 108.54,60.22 106.91,60.22 106.67,59.98 106.67,59.73 106.32,59.73 106.32,60.73 106.67,61.08 109.48,61.08 110.13,60.43 110.49,60.43 111.29,61.23 112.31,61.23 112.4,61.14 112.76,61.14
/LMS8001_RF/IN_D3_#1 on F.RO: 45.99,60.58 46.88,60.58 46.88,60.28 46.33,60.28 46.33,59.61 44.94,58.23 43.69,58.23 43.04,57.58 40.45,57.58 40.24,57.58 39.89,57.93 39.89,58.93 40.24,58.93 40.24,58.67 40.48,58.44 42.09,58.44 42.13,58.44 42.23,58.53 42.58,58.53 43.28,59.23 44.53,59.23 45.88,60.58 45.98,60.58
/LMS8001_RF/IN_D3_#2 on F.RO: 112.76,59.61 111.37,58.23 110.12,58.23 109.47,57.58 106.88,57.58 106.67,57.58 106.32,57.93 106.32,58.93 106.67,58.93 106.67,58.67 106.91,58.44 108.52,58.44 108.56,58.44 108.66,58.53 109.01,58.53 109.71,59.23 110.96,59.23 112.31,60.58 112.41,60.58 112.58,60.54 112.76,60.28
/LMS8001_RF/OUT_A1_#1 on F.RO: 56.83,46.43 57.04,46.22 57.04,44.67 56.27,44.67 56.27,46.23 56.47,46.43 56.47,47.14 56.83,47.14
/LMS8001_RF/OUT_A1_#2 on F.RO: 124.51,46.43 124.73,46.21 124.73,44.67 123.97,44.67 123.97,46.25 124.15,46.43 124.15,47.14 124.51,47.14
/LMS8001_RF/OUT_A2_#1 on F.RO: 56.26,48.21 55.26,48.21 55.26,48.53 55.03,48.76 53.99,48.76 53.99,54.21 53.67,56.35 53.67,56.66 54.03,56.66 54.03,56.34 56.02,54.19 56.02,49.08 56.02,48.79 56.26,48.56
/LMS8001_RF/OUT_A2_#2 on F.RO: 122.69,48.21 121.69,48.21 121.69,48.53 121.46,48.76 120.42,48.76 120.42,54.21 120.1,56.35 120.1,56.66 120.46,56.66 120.46,56.34 122.45,54.19 122.45,49.08 122.45,48.79 122.69,48.56
/LMS8001_RF/OUT_A3_#1 on F.RO: 59.33,48.76 58.3,48.76 58.06,48.52 58.06,48.2 57.06,48.2 57.06,48.56 57.29,48.79 57.29,50.97 56.14,52.12 56.14,54.24 54.27,56.25 54.27,56.66 54.63,56.66 58.17,54.21 58.17,52.98 59.32,51.83
/LMS8001_RF/OUT_A3_#2 on F.RO: 125.76,48.76 124.73,48.76 124.49,48.52 124.49,48.2 123.49,48.2 123.49,48.56 123.72,48.79 123.72,50.97 122.57,52.12 122.57,54.24 120.7,56.25 120.7,56.66 121.06,56.66 124.6,54.21 124.6,52.98 125.75,51.83
/LMS8001_RF/OUT_B1_#1 on F.RO: 55.79,78.53 55.61,78.36 55.25,78.34 55.02,78.57 55.02,80.14 55.79,80.14
/LMS8001_RF/OUT_B1_#2 on F.RO: 122.22,78.53 122.04,78.36 121.68,78.34 121.45,78.57 121.45,80.14 122.22,80.14
/LMS8001_RF/OUT_B2_#1 on F.RO: 59.32,76.05 59.32,72.98 58.17,71.83 58.17,70.6 54.62,68.15 54.27,68.15 54.27,68.56 56.13,70.57 56.13,72.69 57.29,73.85 57.29,76.06 57.05,76.29 57.05,76.65 58.06,76.65 58.06,76.29 58.29,76.05
/LMS8001_RF/OUT_B2_#2 on F.RO: 125.75,76.05 125.75,72.98 124.6,71.83 124.6,70.6 121.05,68.15 120.7,68.15 120.7,68.56 122.56,70.57 122.56,72.69 123.72,73.85 123.72,76.06 123.48,76.29 123.48,76.65 124.49,76.65 124.49,76.29 124.72,76.05
/LMS8001_RF/OUT_B3_#1 on F.RO: 56.26,76.3 56.03,76.07 56.03,75.75 56.03,70.63 54.03,68.49 54.03,68.17 53.68,68.17 53.68,68.47 53.99,70.62 53.99,76.07 55.03,76.07 55.25,76.29 55.25,76.65 56.26,76.65
/LMS8001_RF/OUT_B3_#2 on F.RO: 122.69,76.31 122.46,76.08 122.46,75.76 122.46,70.64 120.46,68.5 120.46,68.18 120.11,68.18 120.11,68.48 120.42,70.63 120.42,76.08 121.46,76.08 121.68,76.3 121.68,76.66 122.69,76.66
/LMS8001_RF/OUT_C1_#1 on F.RO: 50.03,78.59 49.83,78.39 49.83,77.68 49.47,77.68 49.47,78.39 49.27,78.59 49.27,80.14 50.03,80.14
/LMS8001_RF/OUT_C1_#2 on F.RO: 116.46,78.59 116.26,78.39 116.26,77.68 115.9,77.68 115.9,78.39 115.7,78.59 115.7,80.14 116.46,80.14
/LMS8001_RF/OUT_C2_#1 on F.RO: 52.63,68.17 52.28,68.17 52.28,68.48 50.29,70.63 50.29,75.75 50.19,75.85 50.19,76.56 51.06,76.56 51.06,76.28 51.31,76.06 52.32,76.06 52.32,70.62 52.63,68.47
/LMS8001_RF/OUT_C2_#2 on F.RO: 119.06,68.17 118.71,68.17 118.71,68.48 116.72,70.63 116.72,75.75 116.62,75.85 116.62,76.56 117.49,76.56 117.49,76.28 117.74,76.06 118.75,76.06 118.75,70.62 119.06,68.47
/LMS8001_RF/OUT_C3_#1 on F.RO: 52.04,68.17 51.68,68.17 48.14,70.62 48.14,71.84 46.99,72.99 46.98,76.06 48.01,76.06 48.24,76.29 48.24,76.56 49.13,76.56 49.13,75.85 49.02,75.73 49.02,73.85 50.17,72.7 50.17,70.58 52.04,68.57
/LMS8001_RF/OUT_C3_#2 on F.RO: 118.47,68.17 118.11,68.17 114.57,70.62 114.57,71.84 113.42,72.99 113.41,76.06 114.44,76.06 114.67,76.29 114.67,76.56 115.56,76.56 115.56,75.85 115.45,75.73 115.45,73.85 116.6,72.7 116.6,70.58 118.47,68.57
/LMS8001_RF/OUT_D1_#1 on F.RO: 51.11,45.83 51.3,45.64 51.3,44.66 50.54,44.66 50.54,45.63 50.75,45.84 50.75,46.54 51.11,46.54
/LMS8001_RF/OUT_D1_#2 on F.RO: 117.74,44.66 116.97,44.66 116.97,47.22 117.74,47.22
/LMS8001_RF/OUT_D2_#1 on F.RO: 52.04,56.23 50.17,54.23 50.17,52.11 49.02,50.95 49.02,49.07 49.13,48.97 49.13,48.25 48.24,48.25 48.24,48.51 48.02,48.74 46.99,48.74 46.99,51.82 48.14,52.96 48.14,54.19 51.69,56.64 52.04,56.64
/LMS8001_RF/OUT_D2_#2 on F.RO: 118.47,56.23 116.6,54.23 116.6,52.11 115.45,50.95 115.45,49.07 115.56,48.97 115.56,48.25 114.67,48.25 114.67,48.51 114.45,48.74 113.42,48.74 113.42,51.82 114.57,52.96 114.57,54.19 118.12,56.64 118.47,56.64
/LMS8001_RF/OUT_D3_#1 on F.RO: 52.63,56.33 52.31,54.19 52.31,48.74 51.27,48.74 51.06,48.52 51.06,48.25 50.19,48.25 50.19,48.97 50.28,49.06 50.28,54.17 52.28,56.32 52.28,56.64 52.63,56.64
/LMS8001_RF/OUT_D3_#2 on F.RO: 119.06,56.33 118.74,54.19 118.74,48.74 117.7,48.74 117.49,48.52 117.49,48.25 116.62,48.25 116.62,48.97 116.71,49.06 116.71,54.17 118.71,56.32 118.71,56.64 119.06,56.64
/RF/DA1_A/z5 on F.RO: 39.33,120.27 39.33,117.96 38.53,117.96 38.53,120.27
/RF/DA2_A/RF_out on F.RO: 109.62,133.03 109.62,130.72 108.83,130.72 108.83,133.03
/RF/DA2_A/z5 on F.RO: 105.77,120.28 105.77,117.96 104.96,117.96 104.96,120.28
RF_IN_B_#1 on F.RO: 65.45,120.7 64.66,120.7 64.66,122.93 65.19,124.18 65.19,124.62 65.45,124.62
RF_IN_B_#2 on F.RO: 131.88,120.7 131.09,120.7 131.09,122.93 131.62,124.18 131.62,124.62 131.88,124.62
RF_IN_B_#2 on F.RO: 138.57,64.58 138.28,64.58 138,64.3 137.23,64.3 137.23,65.08 138.57,65.08
RF_OUT_C_#1 on F.RO: 49.26,80.37 50.05,80.37 50.05,81.91 49.26,81.91
RF_OUT_C_#2 on F.RO: 116.48,80.37 116.48,81.89 115.7,81.89 115.7,80.37
Vdio on F.FR4: 71.64,117.34 69.75,115.45 70.22,114.97 70.22,73.48 62.81,73.48 62.81,99.55 48.72,99.55 48.72,97.84 60.91,97.84 60.91,90.63 48.72,90.63 48.72,90.57 27.44,90.57 27.44,90.45 13.16,90.45 13.16,72.32 12.81,72.32 6,65.51 6,93.27 8.86,96.13 10.95,96.13 10.95,96.23 24.27,96.23 24.27,102.07 45.63,102.07 46.09,101.61 62.81,101.61 62.81,130.97 51.74,130.97 51.74,126.06 46.76,126.06 46.76,135.67 71.64,135.67
Net-(C150-Pad2) on F.RO: 55.01,80.37 55.8,80.37 55.8,81.95 55.01,81.95
Net-(C191-Pad1) on F.RO: 43.45,116.73 43.45,115.13 42.65,115.13 42.65,116.73
Net-(C191-Pad2) on F.RO: 42.9,119.07 42.9,119.87 43.21,119.87 43.21,119.07 43.45,118.83 43.45,116.93 42.65,116.93 42.65,118.82
Net-(C194-Pad1) on F.RO: 40.2,121.64 40.44,121.4 41.14,121.4 41.14,121.1 40.45,121.1 40.2,120.85 39.33,120.85 39.33,120.47 38.53,120.47 38.53,121.64
Net-(C198-Pad1) on F.RO: 38.2,122.1 38.2,120.27 37.1,120.27 37.1,123.36 39.39,123.36 40.35,122.4 41.2,122.4 41.2,122.1
Net-(C208-Pad1) on F.RO: 42.38,125.01 42.38,130.41 43.17,130.41 43.17,125.13 43.21,125.13 43.21,123.05 42.91,123.05 42.91,123.93 42.71,123.93 42.71,123.08 42.41,123.08 42.41,123.93 42.21,123.93 42.21,123.18 41.91,123.18 41.91,124.22 39.34,124.22 39.34,125.01
Net-(C211-Pad1) on F.RO: 109.89,116.74 109.89,115.14 109.08,115.14 109.08,116.74
Net-(C211-Pad2) on F.RO: 109.33,119.06 109.33,119.81 109.64,119.81 109.64,119.08 109.89,118.84 109.89,116.94 109.08,116.94 109.08,118.81
Net-(C214-Pad1) on F.RO: 106.64,121.65 106.87,121.41 107.52,121.41 107.52,121.09 106.87,121.09 106.64,120.86 105.77,120.86 105.77,120.48 104.96,120.48 104.96,121.65
Net-(C218-Pad1) on F.RO: 105.83,123.37 106.79,122.41 107.55,122.41 107.55,122.11 104.64,122.11 104.64,120.25 103.54,120.25 103.54,123.37
Net-(C234-Pad1) on F.RO: 108.83,125.02 108.83,130.42 109.62,130.42 109.62,125.15 109.67,125.15 109.67,123.08 108.36,123.08 108.36,124.22 105.8,124.22 105.8,125.02
Net-(C245-Pad2) on F.RO: 131.88,127.38 131.88,126.94 131.62,126.94 131.62,127.38 131.32,127.66 131.32,128.34 132.12,128.33 132.12,127.62
Net-(C384-Pad2) on F.RO: 122.23,80.37 121.45,80.37 121.45,81.91 122.23,81.91
Net-(L14-Pad2) on F.RO: 39.59,115.79 39.59,118.06 39.58,118.06 39.59,118.07 39.59,120.4 41.15,120.4 41.15,120.1 40.38,120.1 40.38,114.99 39.48,114.99 39.48,115.79
Net-(L19-Pad2) on F.RO: 107.64,120.1 106.81,120.1 106.81,117.85 106.02,117.85 106.02,120.4 107.64,120.4
Net-(L24-Pad2) on F.RO: 65.94,122.56 65.73,122.74 65.7,122.85 65.7,124.58 65.96,124.58 65.96,124.06 66.1,123.25 66.44,123.25 66.44,122.56
Net-(L26-Pad2) on F.RO: 132.42,122.53 132.27,122.59 132.19,122.7 132.14,122.78 132.13,122.84 132.13,124.56 132.39,124.56 132.39,124.06 132.55,123.25 132.62,123.24 132.93,123.24 132.93,122.53
Net-(R117-Pad1) on F.RO: 68.36,126.7 68.34,126.64 68.29,126.56 68.25,126.52 68.16,126.46 68.09,126.44 67.76,126.34 67.51,126.28 67.04,126.15 66.47,126.15 66.47,126.41 66.94,126.41 67.87,127.12 67.93,127.14 67.99,127.15 68.04,127.15 68.1,127.14 68.15,127.12 68.21,127.09 68.25,127.06 68.28,127.03 68.33,126.96 68.36,126.88 68.37,126.81 68.37,126.75
Net-(R125-Pad1) on F.RO: 134.81,126.7 134.79,126.64 134.74,126.56 134.69,126.52 134.61,126.46 134.54,126.44 134.2,126.34 133.95,126.28 133.49,126.15 132.92,126.15 132.92,126.41 133.38,126.41 134.31,127.12 134.38,127.14 134.44,127.15 134.49,127.15 134.55,127.14 134.6,127.12 134.65,127.09 134.69,127.06 134.73,127.03 134.77,126.96 134.8,126.91 134.81,126.88 134.81,126.81 134.81,126.75

Small or netless copper shapes (teardrops, artwork), in the pictures only: 22 on F.RO

## Text on the board
F.SilkS: 1.8V / TDD ctrl | GND | 5V_RF | EXT_LO | 3-5V / TDD ctrl | EXT_REF | (RF) | RF | TST | IF | ChA | ChB | IF_RX2 | RX1 | RX2 | 5V | IF_RX1 | IF_TX1 | IF_ORX1 | TXRX1 | ORX1 | IF_TX2 | IF_ORX2 | TXRX2 | ORX2 | 12V | CH#1 | CH#2 | LimeRFE 8001P
